# Altium PCB блок вычислительный_v1.PcbDoc (part 1 of 2)
Units mm, origin at the board's own origin, x right, y up, seen from the top; angles counter-clockwise.
Board outline 194 x 260 mm, 6 copper layers (Component Side, Internal Plane 1, int1, int2, Internal Plane 2, Bottom Layer), stack 1.48 mm thick; 497 components, 363 nets, 1593 pads, 108 vias.
Unrouted connection lines stored in the file: 717.
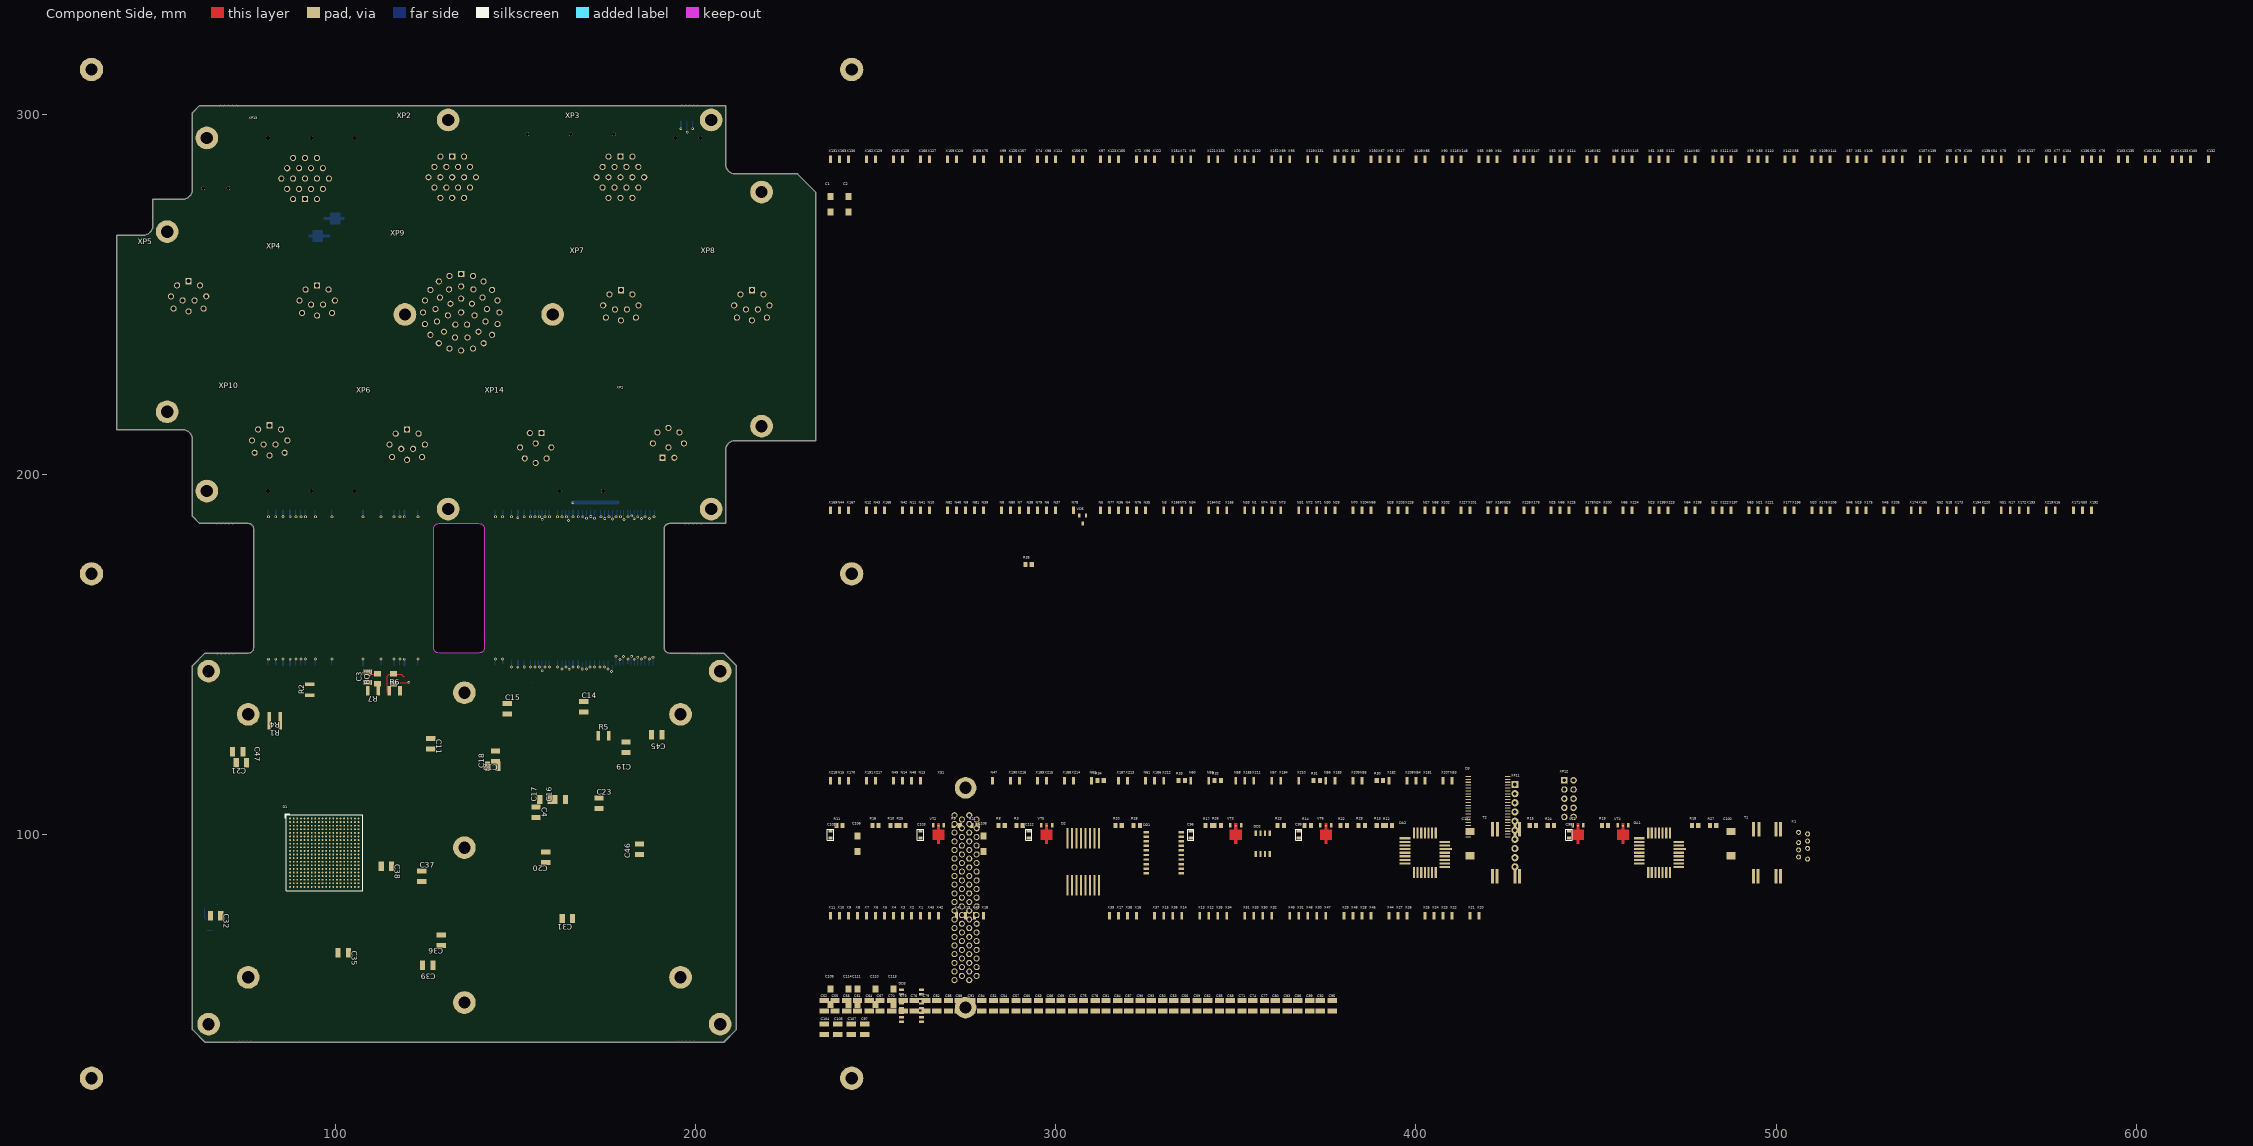
[diagram p0: Component Side view]
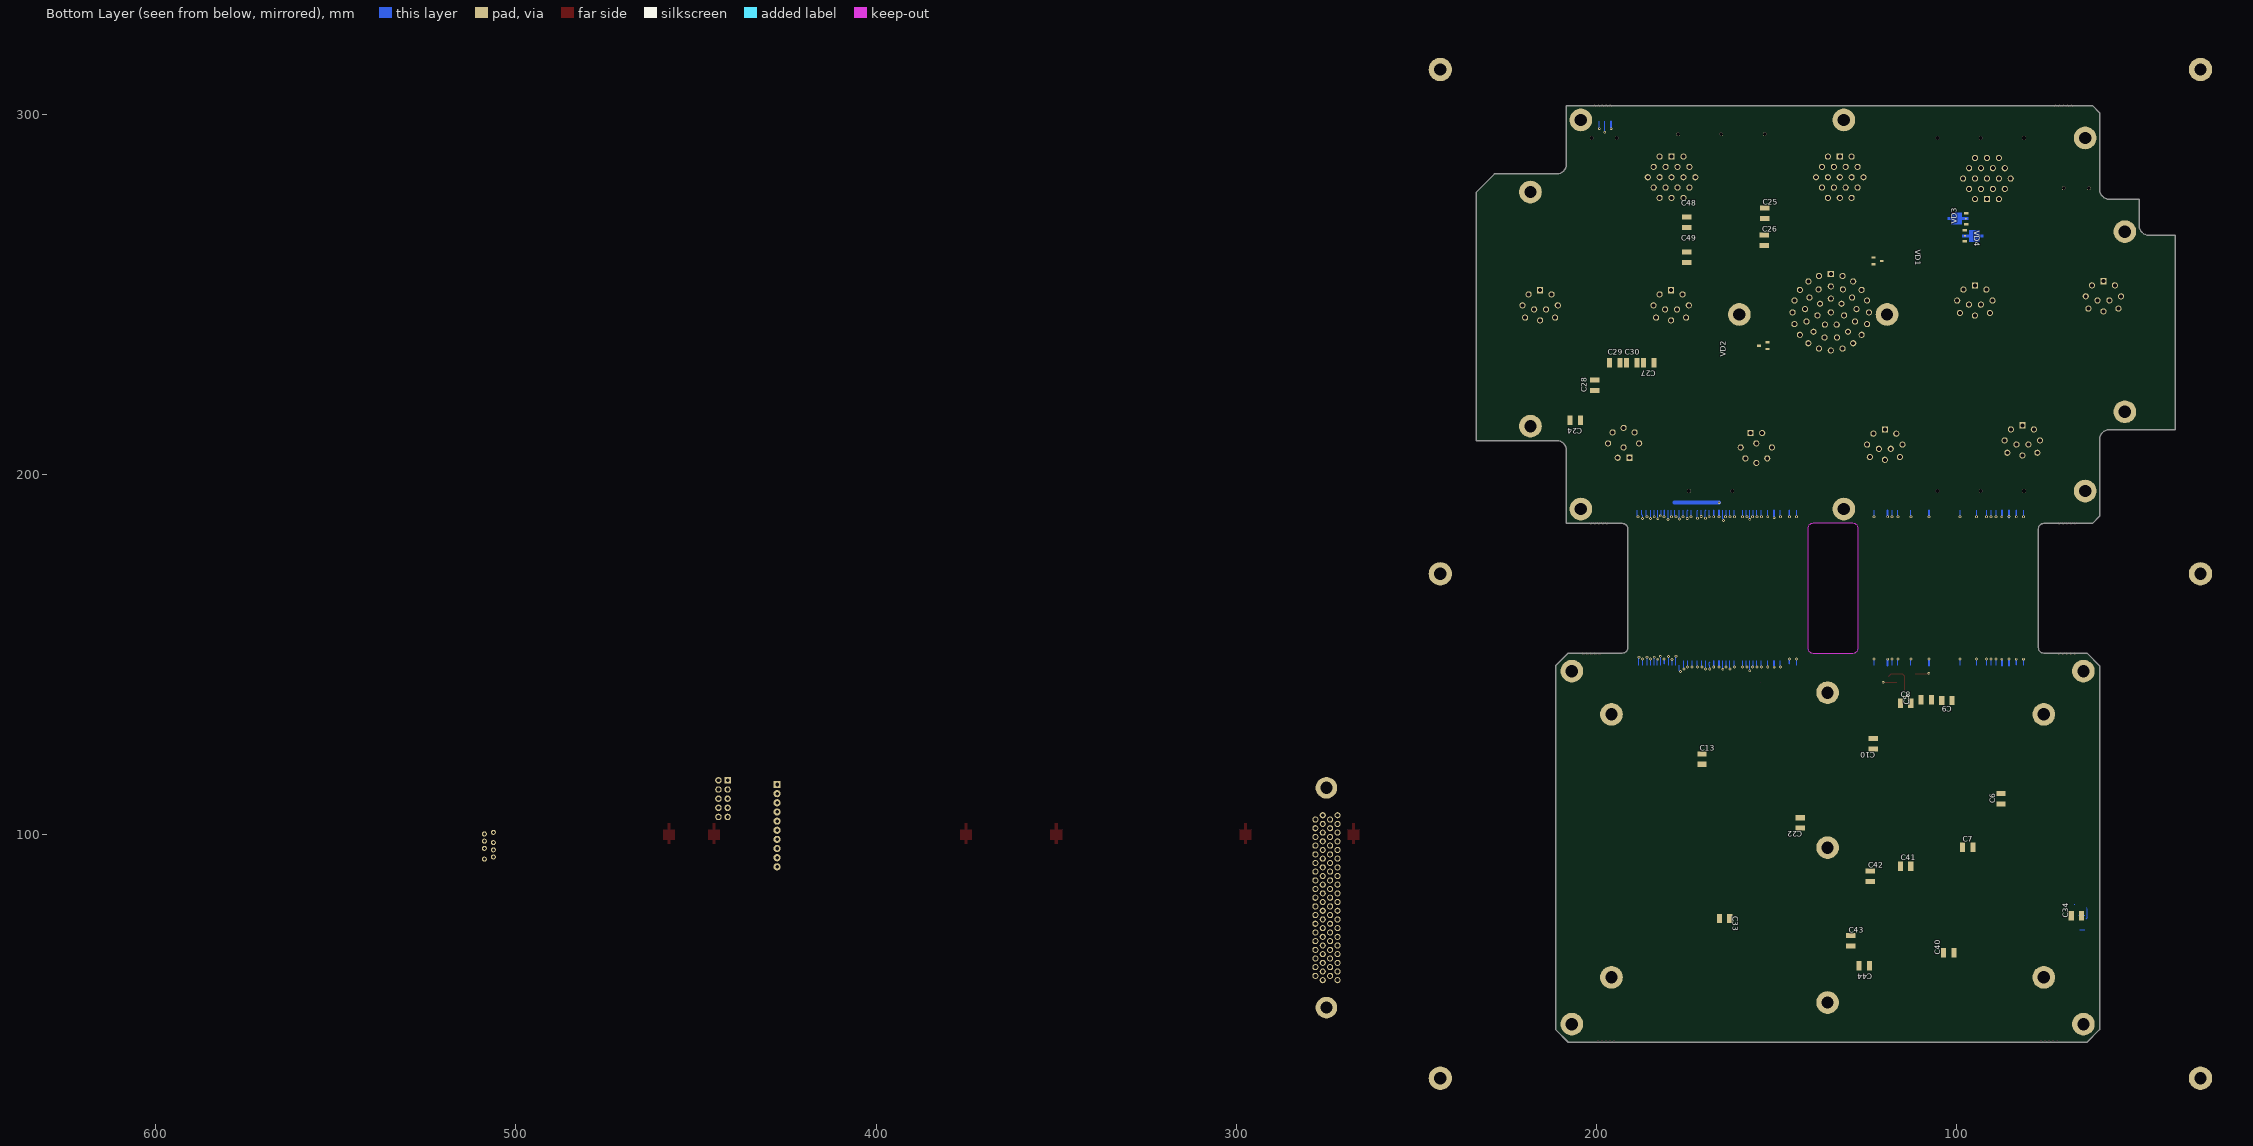
[diagram p1: Bottom Layer view, seen from below]
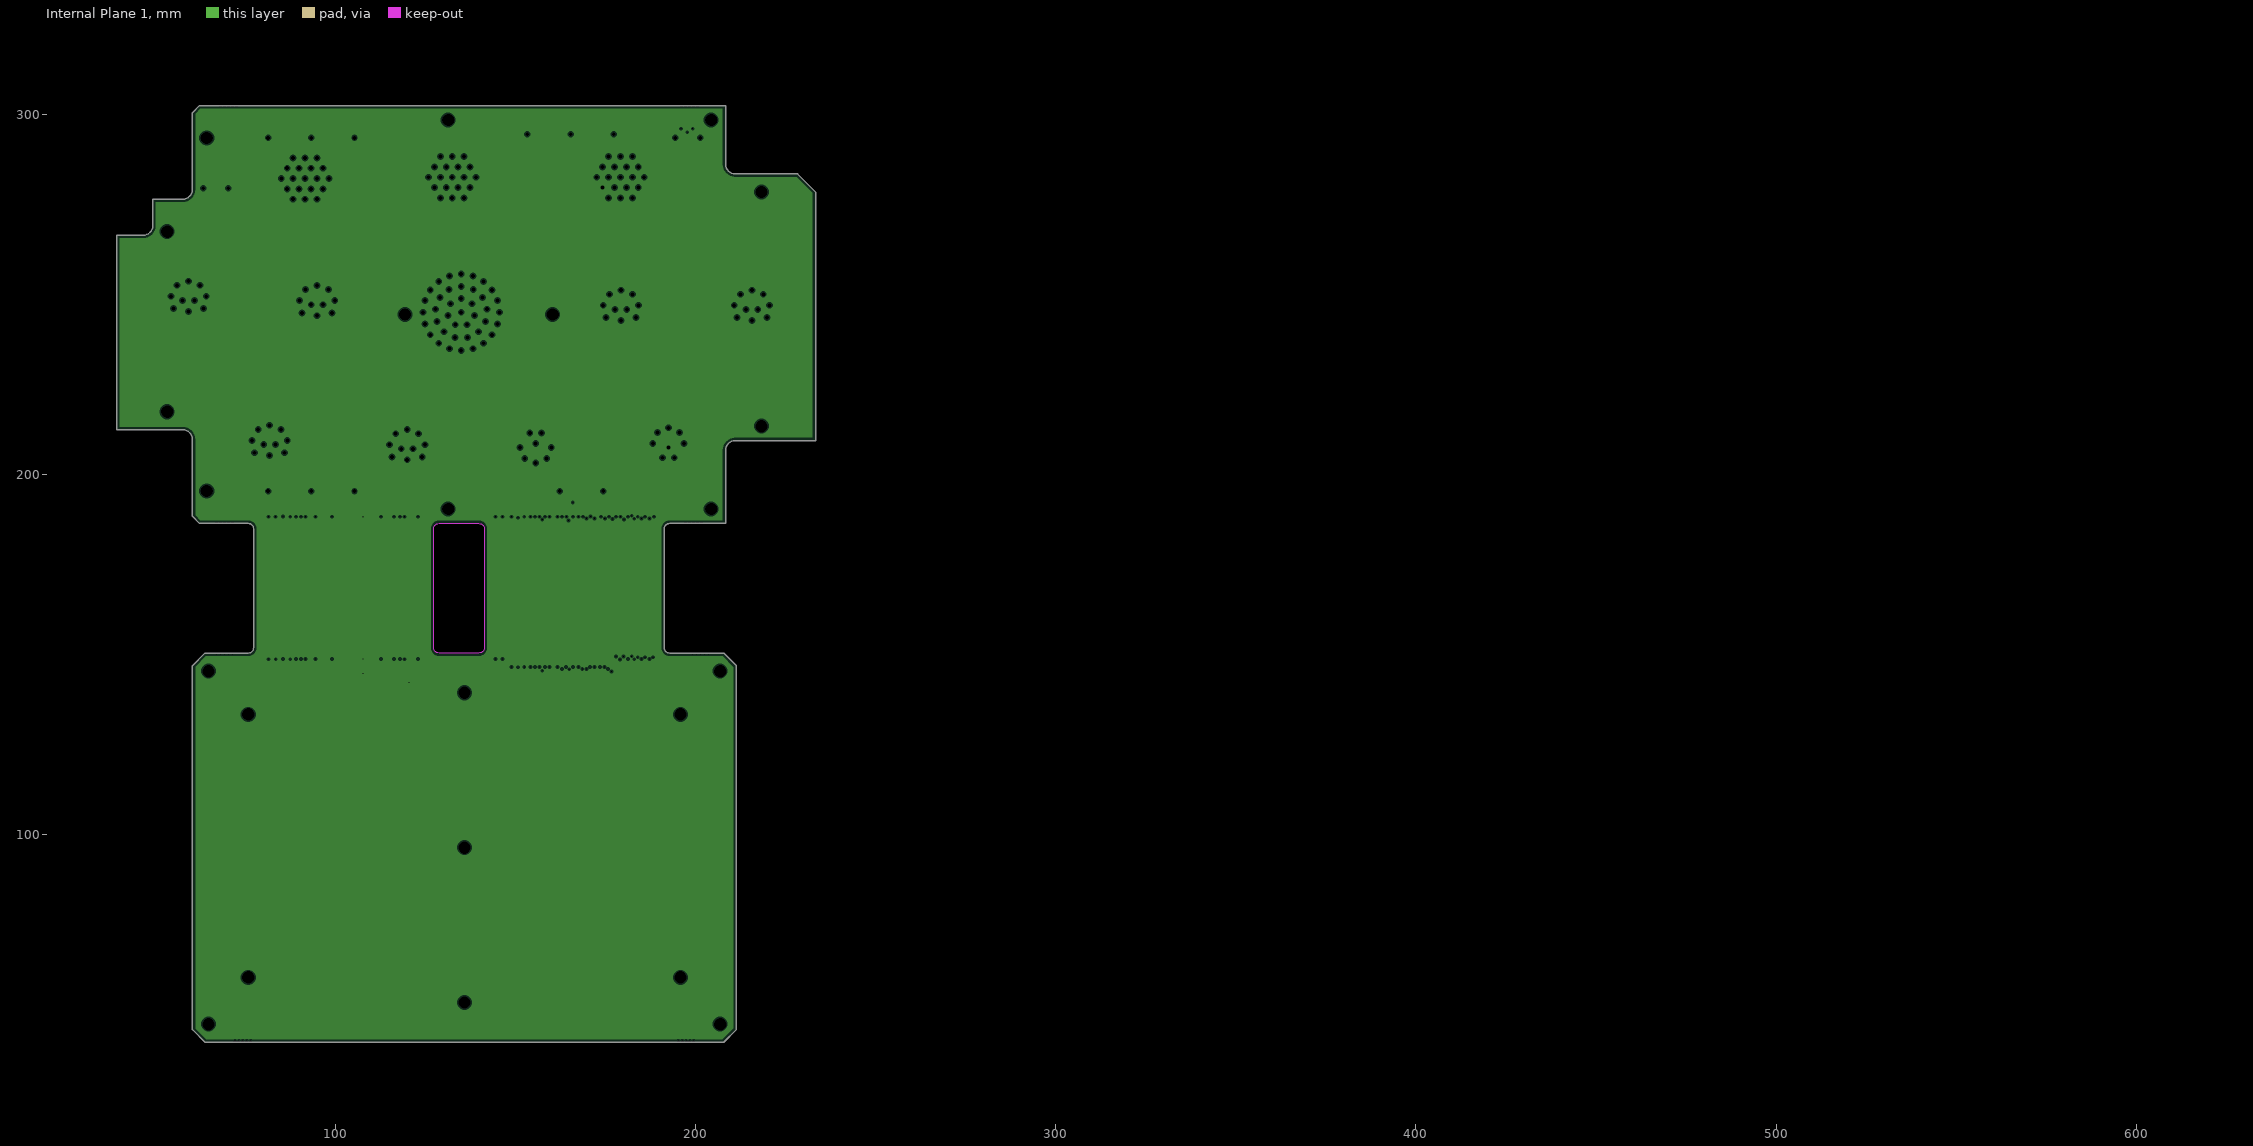
[diagram p2: Internal Plane 1, clearances drawn from the general rule]
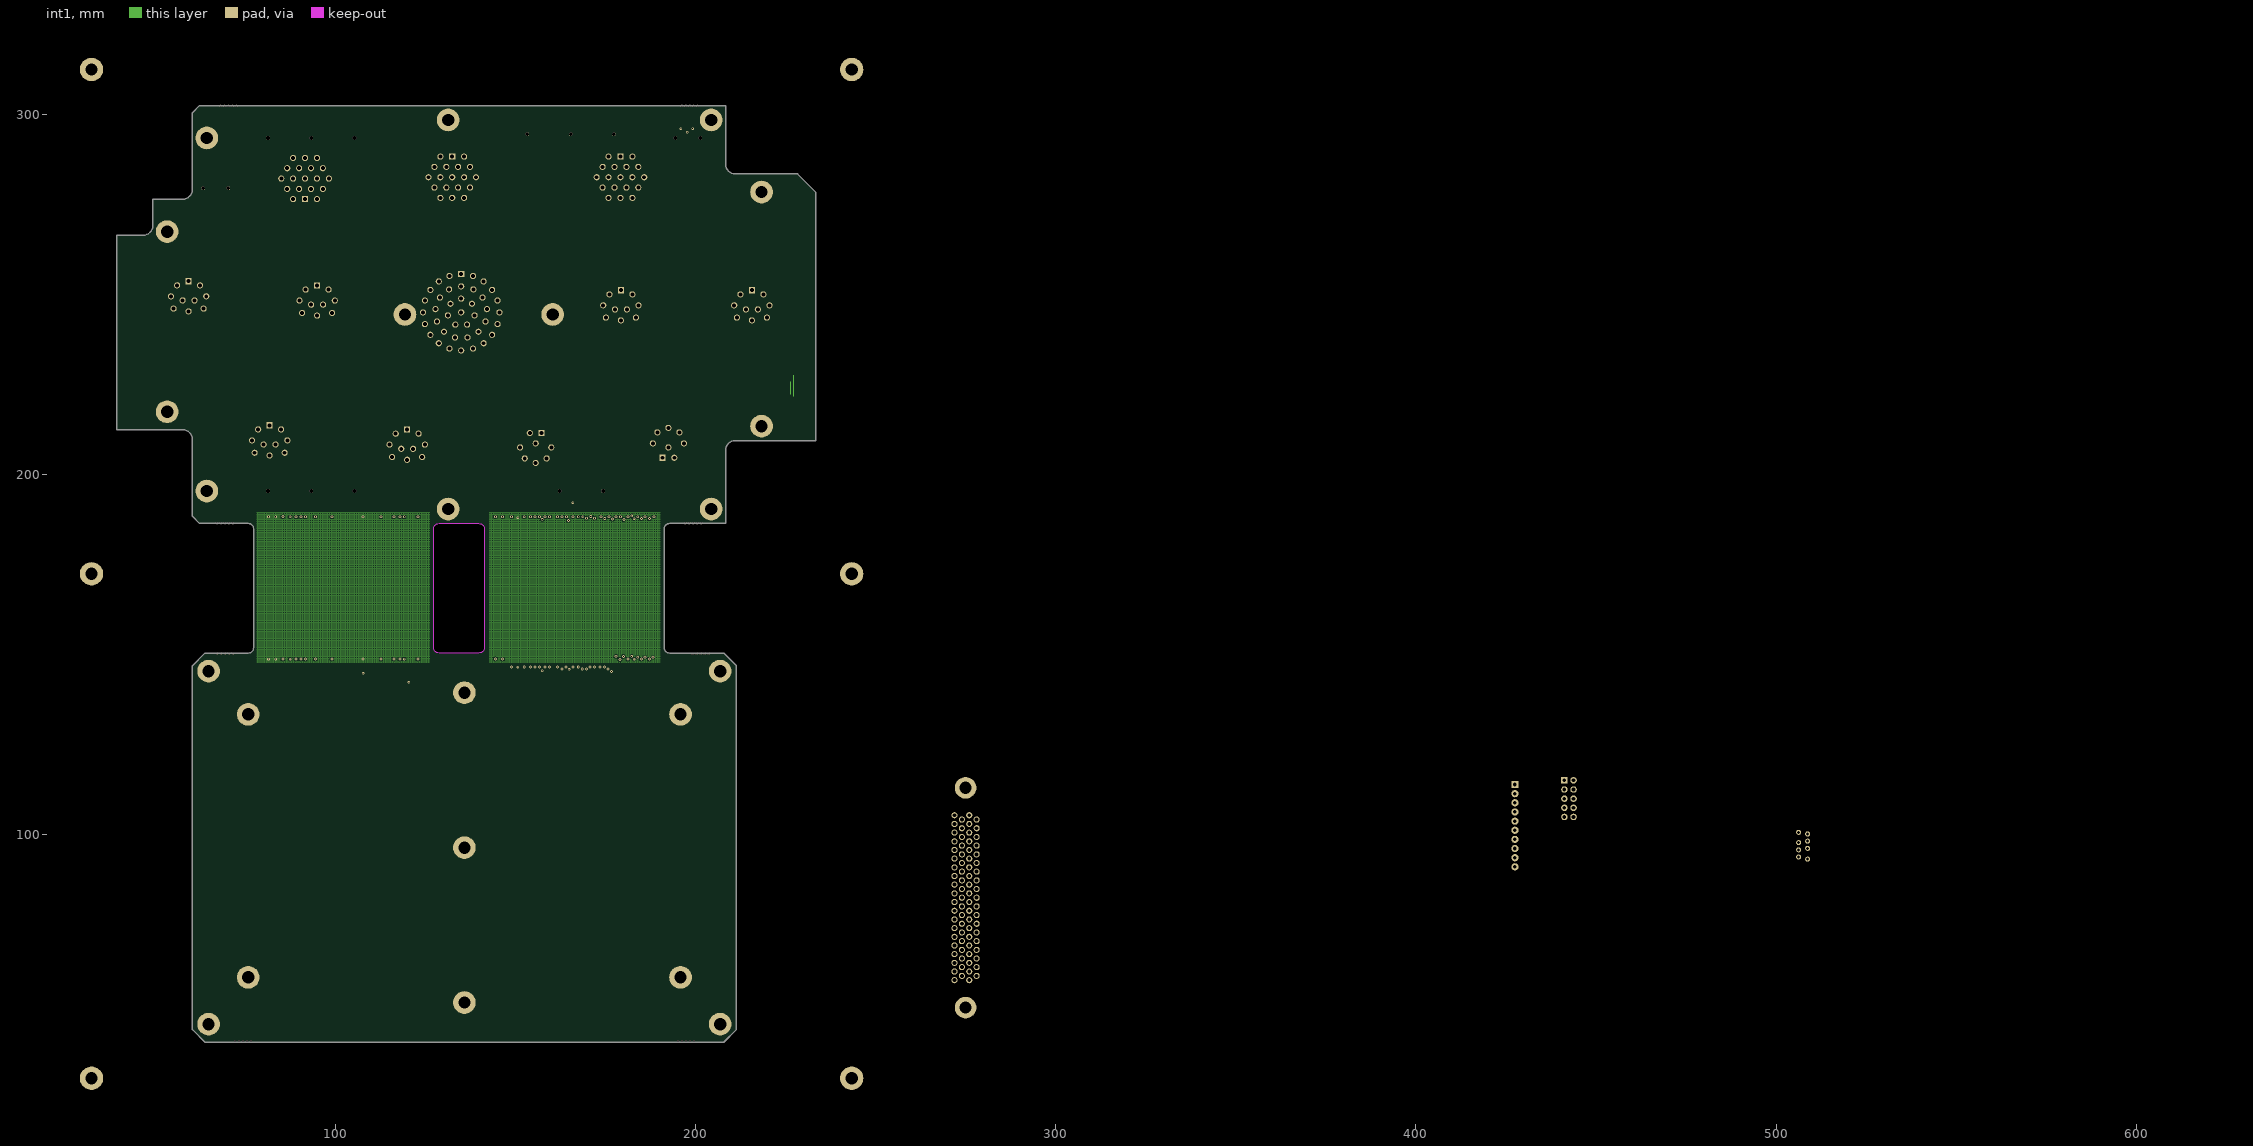
[diagram p3: int1]
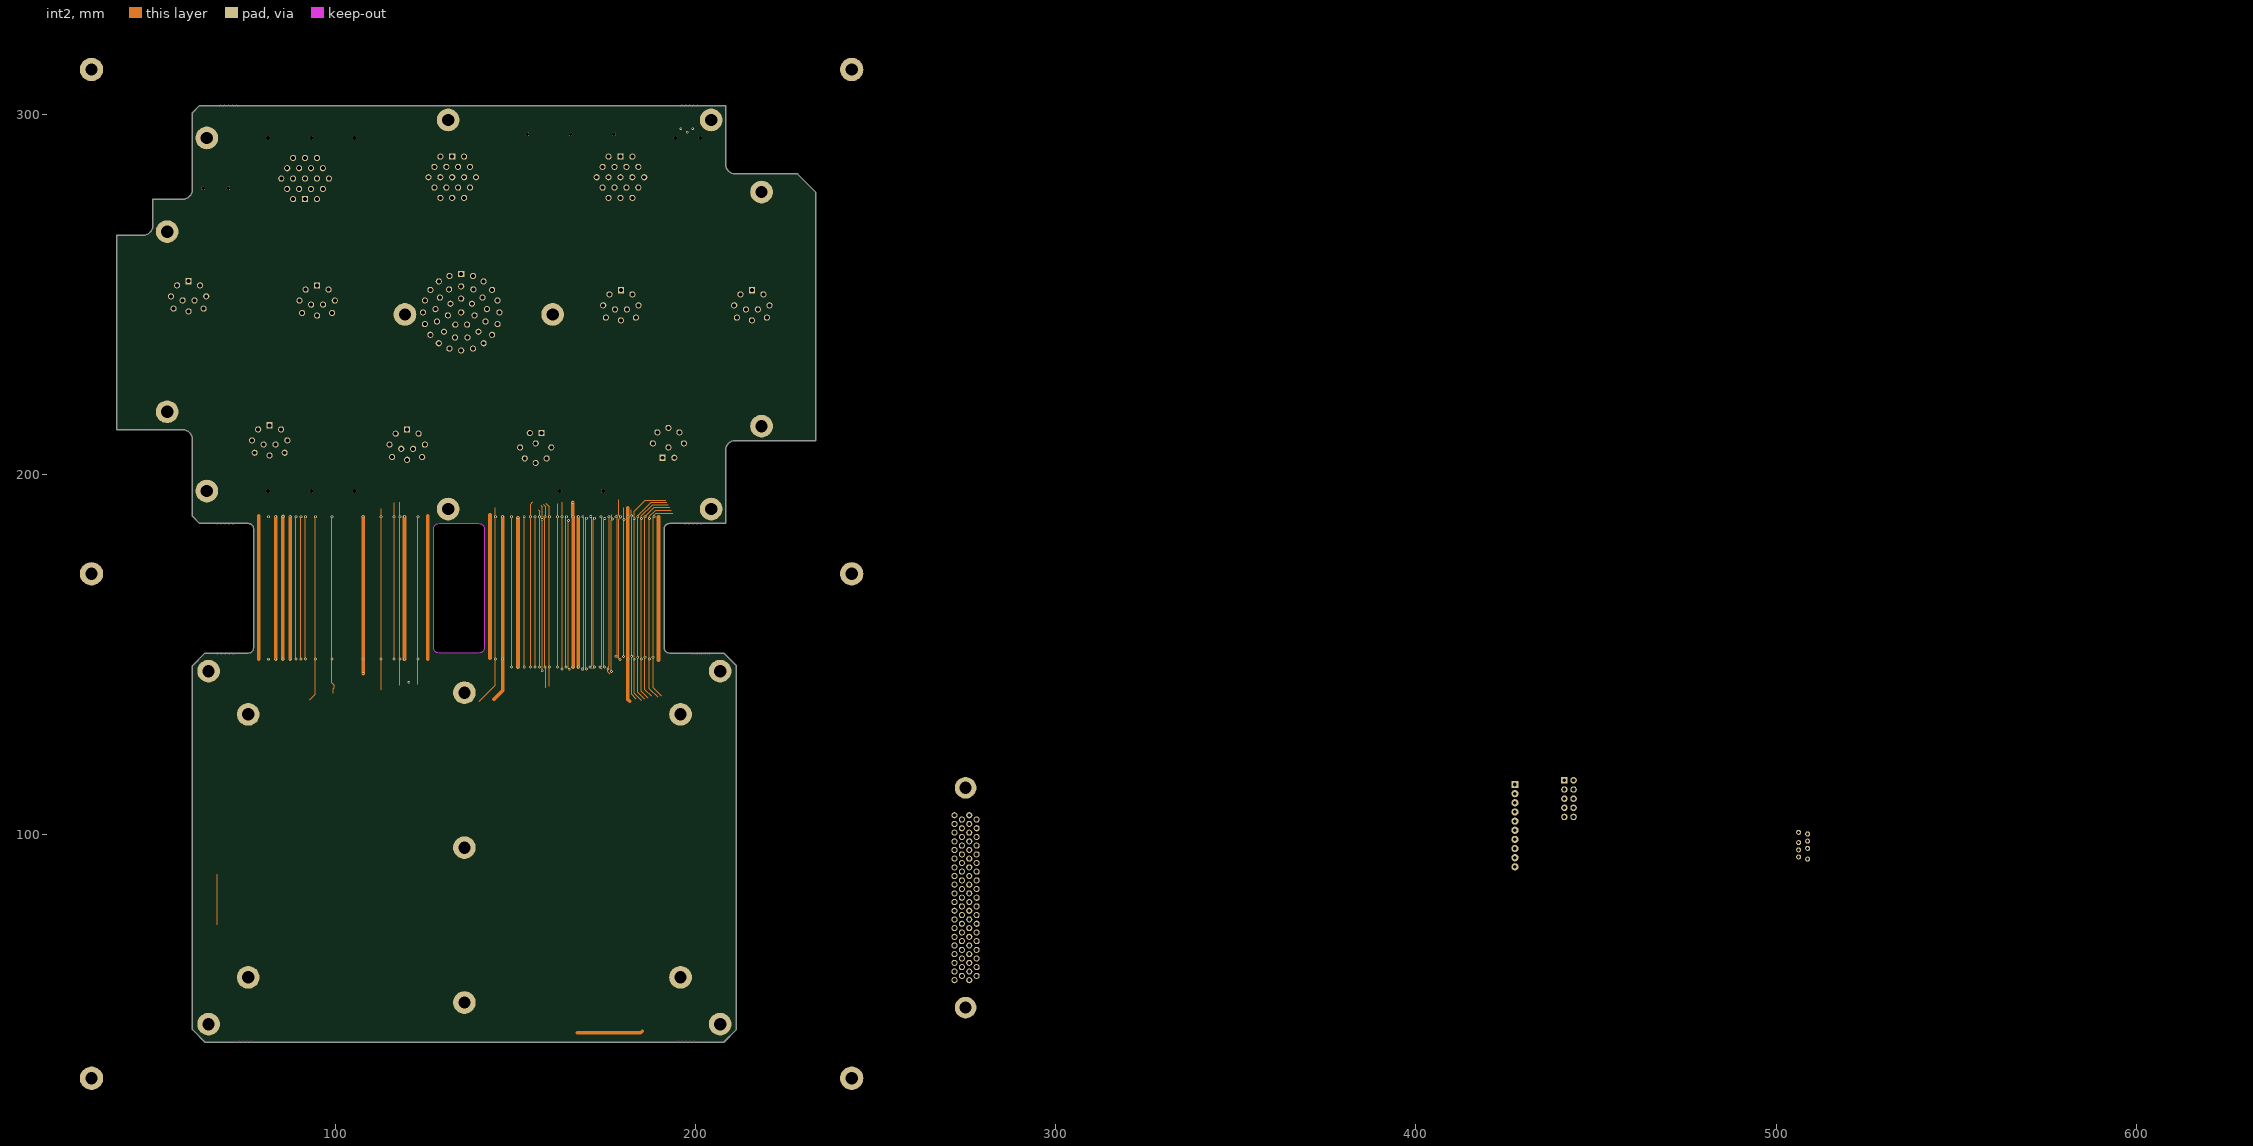
[diagram p4: int2]